# KiCad board PCB_Neopixel_rigid.kicad_pcb
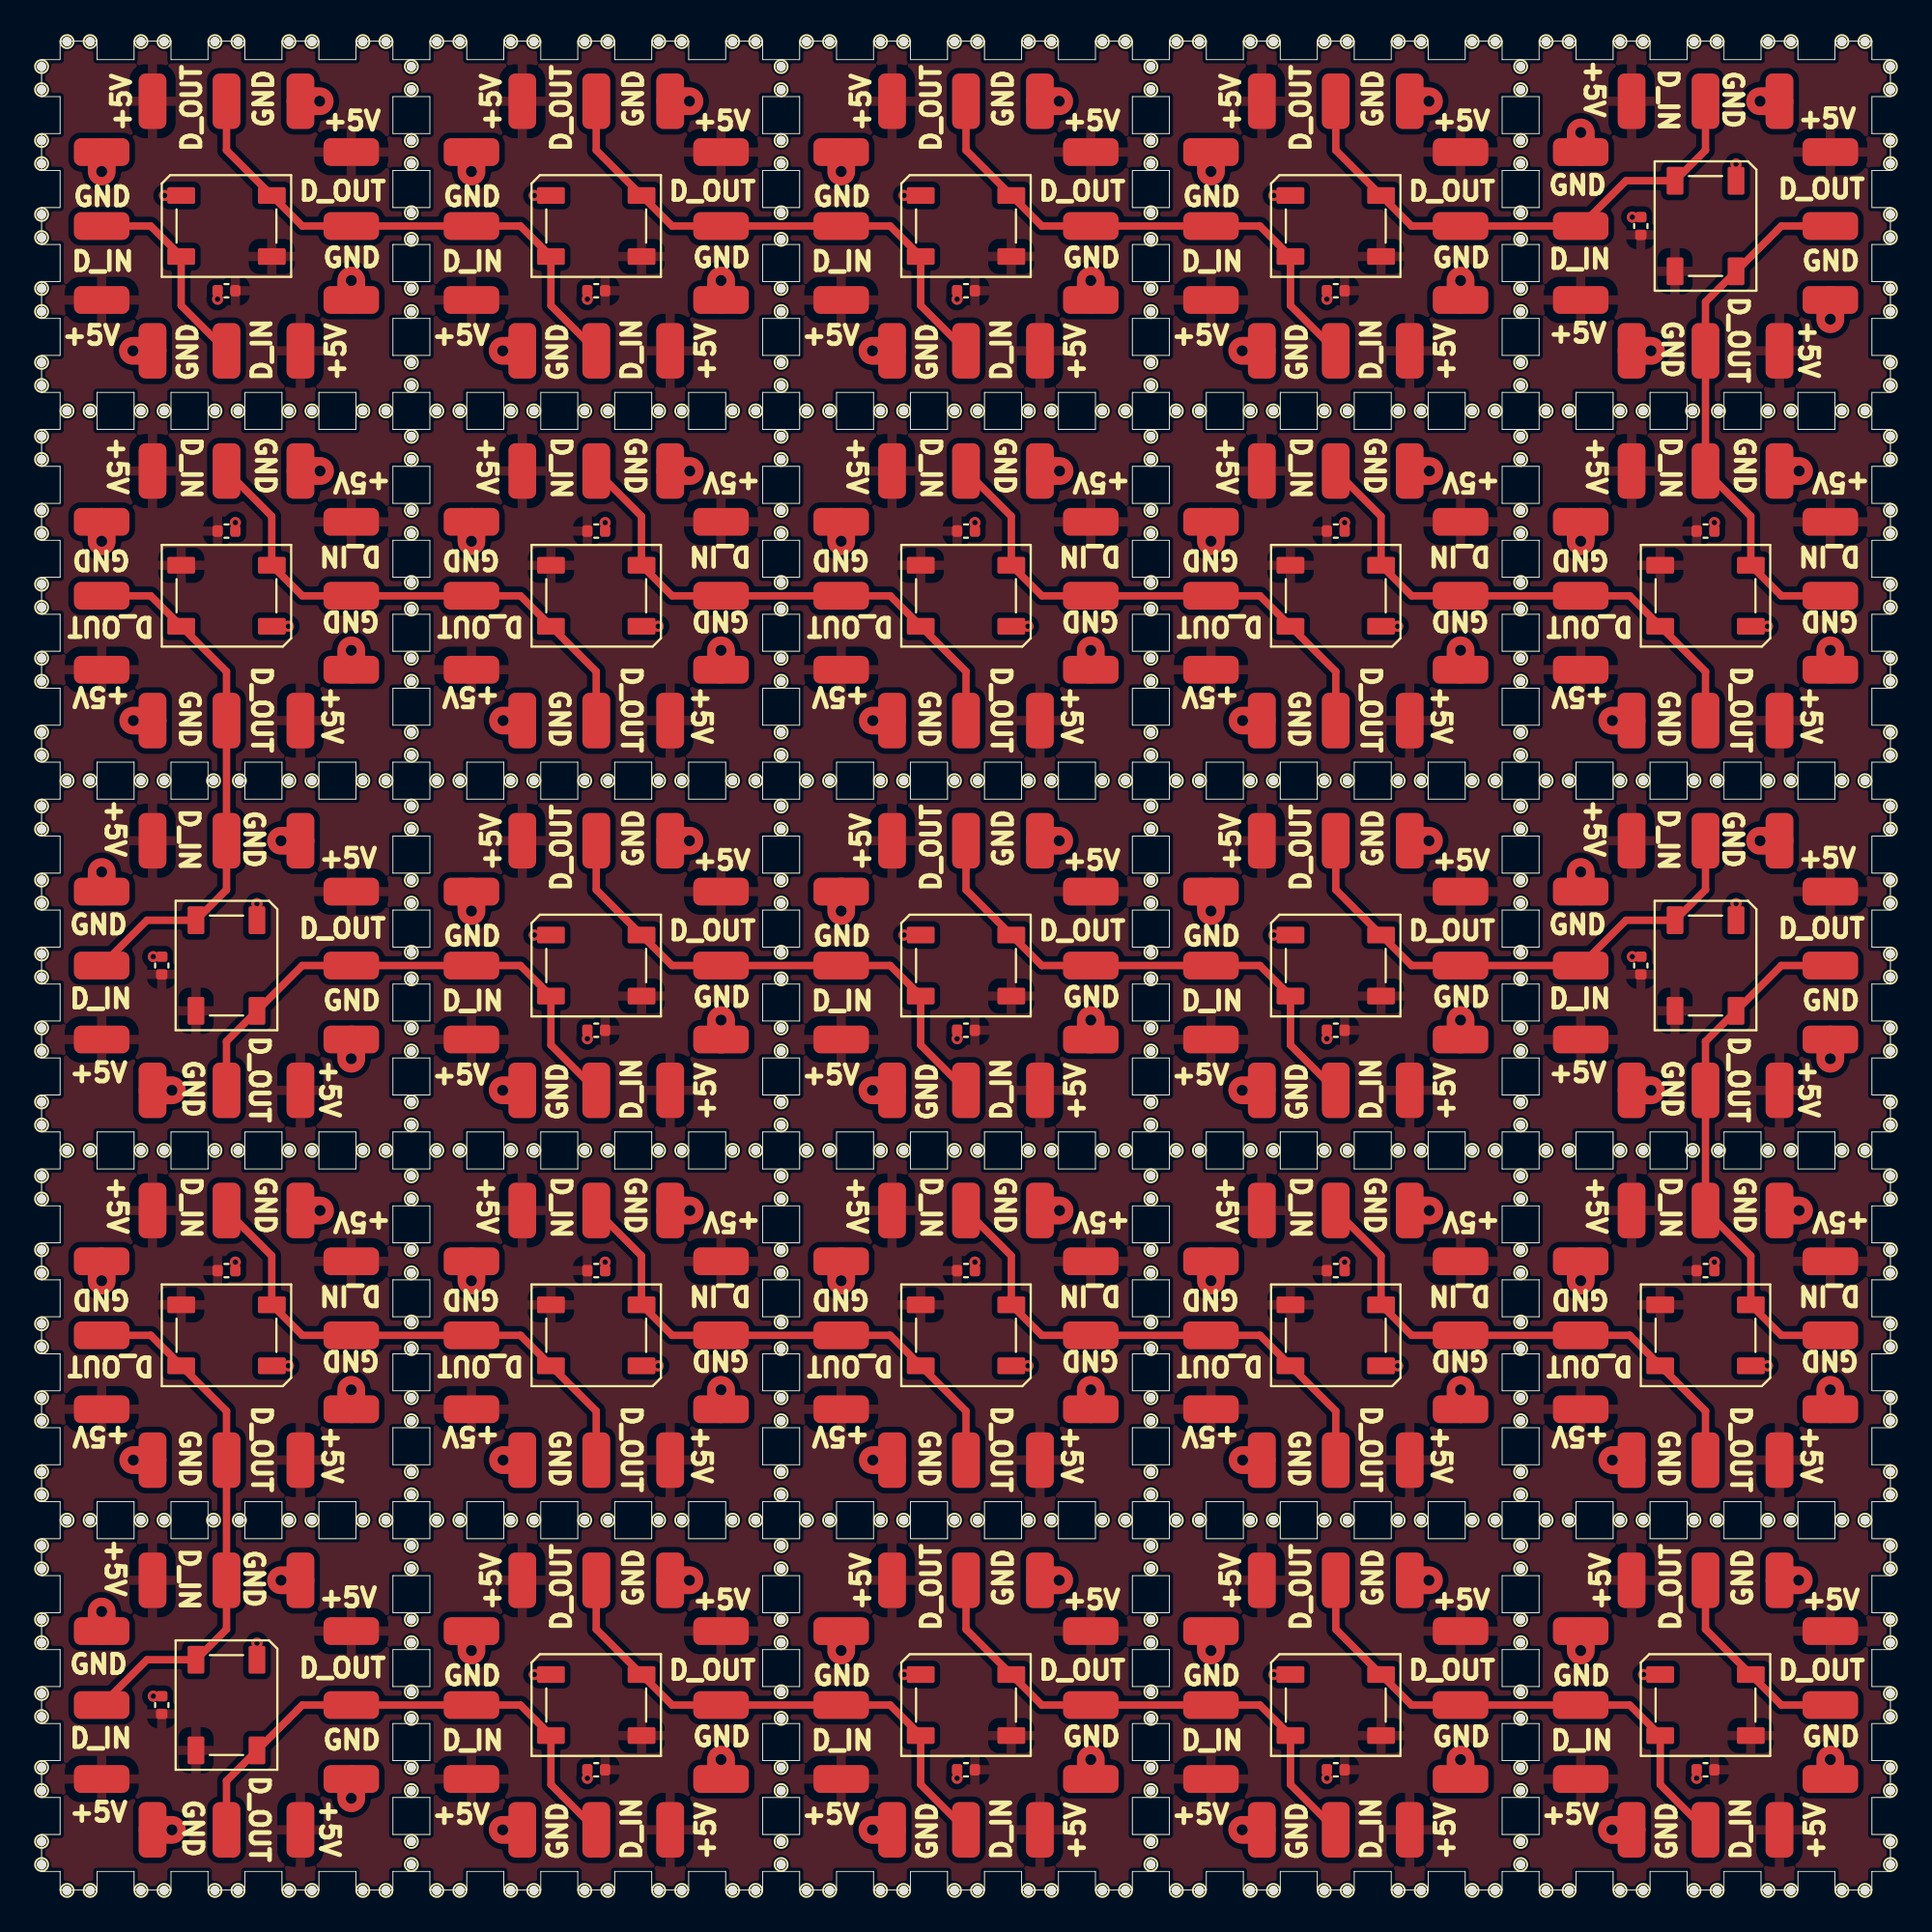
[diagram p0: board, top side]
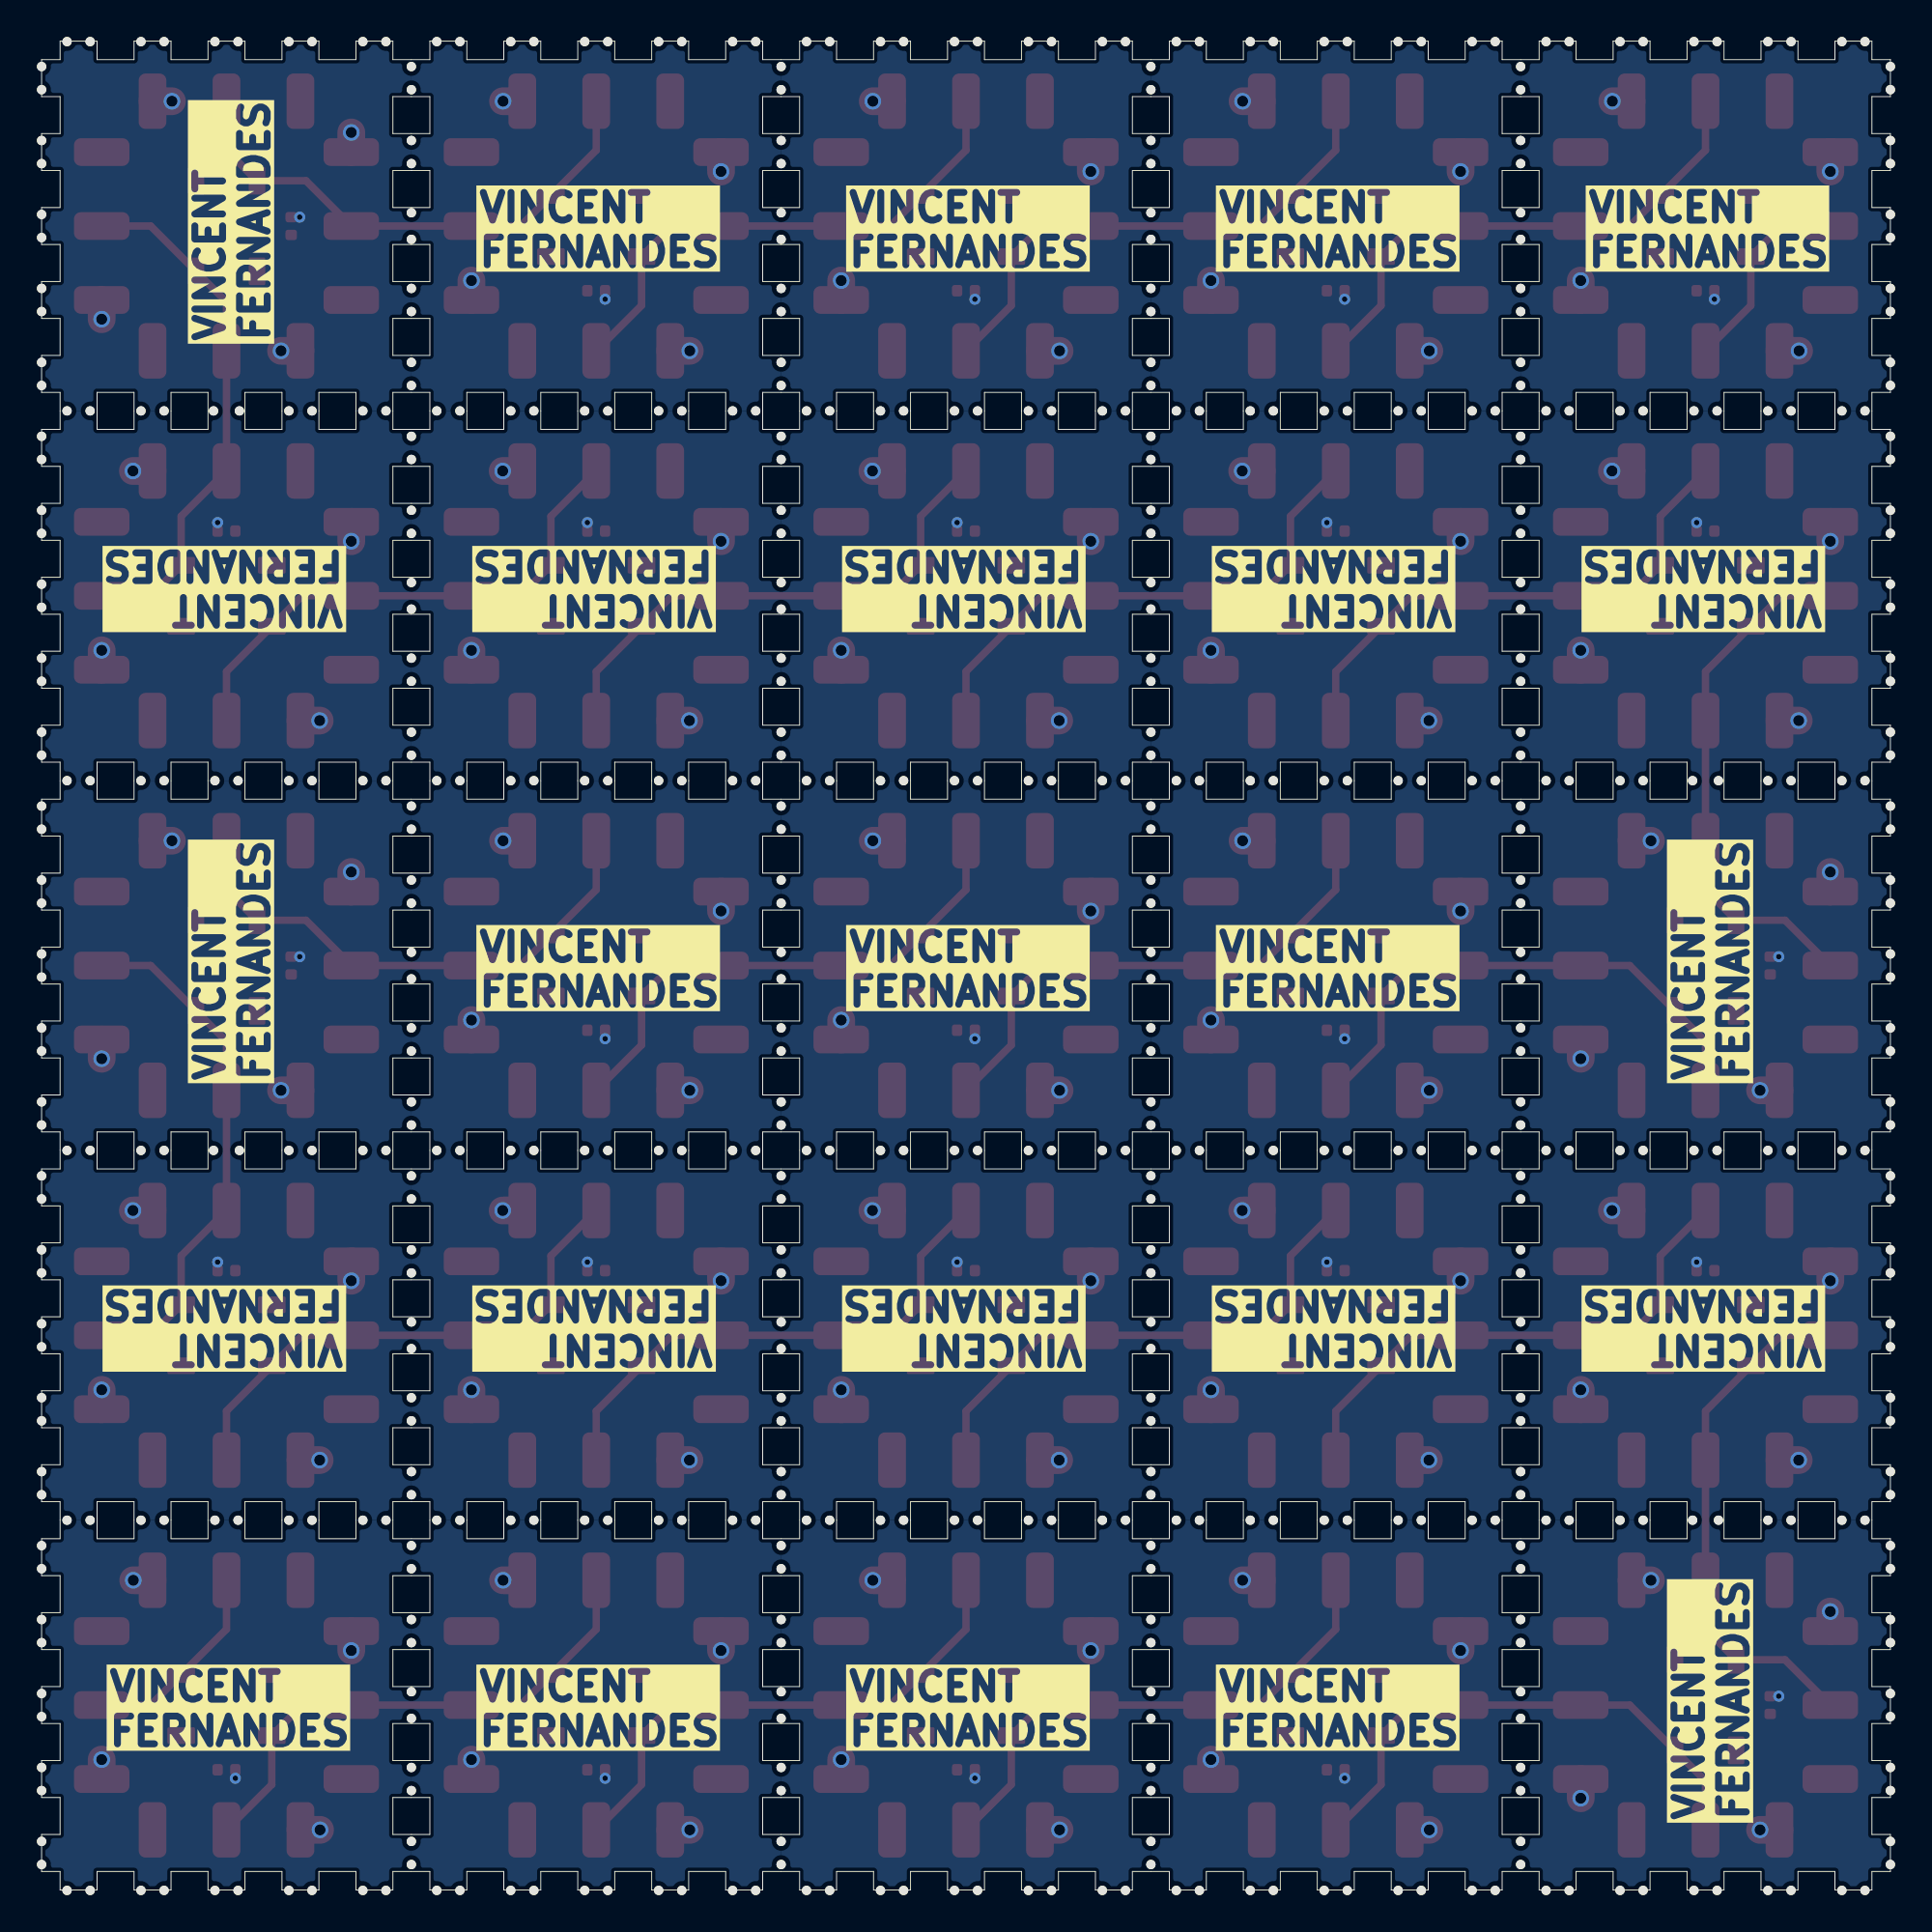
[diagram p1: board, bottom side, seen from below]

Outline 100 x 100 mm; copper layers: Top, Bottom. Coordinates in mm from the lower left corner of the outline.
Outline path: 0,99 1,99 1,100 3,100 3,99 5,99 5,100 7,100 7,99 9,99 9,100 11,100 11,99 13,99 13,100 15,100 15,99 17,99 17,100 19,100 19,99 21,99 21,100 23,100 23,99 25,99 25,100 27,100 27,99 29,99 29,100 31,100 31,99 33,99 33,100 35,100 35,99 37,99 37,100 39,100 39,99 41,99 41,100 43,100 43,99 45,99 45,100 47,100 47,99 49,99 49,100 51,100 51,99 53,99 53,100 55,100 55,99 57,99 57,100 59,100 59,99 61,99 61,100 63,100 63,99 65,99 65,100 67,100 67,99 69,99 69,100 71,100 71,99 73,99 73,100 75,100 75,99 77,99 77,100 79,100 79,99 81,99 81,100 83,100 83,99 85,99 85,100 87,100 87,99 89,99 89,100 91,100 91,99 93,99 93,100 95,100 95,99 97,99 97,100 99,100 99,99 100,99 100,97 99,97 99,95 100,95 100,93 99,93 99,91 100,91 100,89 99,89 99,87 100,87 100,85 99,85 99,83 100,83 100,81 99,81 99,79 100,79 100,77 99,77 99,75 100,75 100,73 99,73 99,71 100,71 100,69 99,69 99,67 100,67 100,65 99,65 99,63 100,63 100,61 99,61 99,59 100,59 100,57 99,57 99,55 100,55 100,53 99,53 99,51 100,51 100,49 99,49 99,47 100,47 100,45 99,45 99,43 100,43 100,41 99,41 99,39 100,39 100,37 99,37 99,35 100,35 100,33 99,33 99,31 100,31 100,29 99,29 99,27 100,27 100,25 99,25 99,23 100,23 100,21 99,21 99,19 100,19 100,17 99,17 99,15 100,15 100,13 99,13 99,11 100,11 100,9 99,9 99,7 100,7 100,5 99,5 99,3 100,3 100,1 99,1 99,0 97,0 97,1 95,1 95,0 93,0 93,1 91,1 91,0 89,0 89,1 87,1 87,0 85,0 85,1 83,1 83,0 81,0 81,1 79,1 79,0 77,0 77,1 75,1 75,0 73,0 73,1 71,1 71,0 69,0 69,1 67,1 67,0 65,0 65,1 63,1 63,0 61,0 61,1 59,1 59,0 57,0 57,1 55,1 55,0 53,0 53,1 51,1 51,0 49,0 49,1 47,1 47,0 45,0 45,1 43,1 43,0 41,0 41,1 39,1 39,0 37,0 37,1 35,1 35,0 33,0 33,1 31,1 31,0 29,0 29,1 27,1 27,0 25,0 25,1 23,1 23,0 21,0 21,1 19,1 19,0 17,0 17,1 15,1 15,0 13,0 13,1 11,1 11,0 9,0 9,1 7,1 7,0 5,0 5,1 3,1 3,0 1,0 1,1 0,1 0,3 1,3 1,5 0,5 0,7 1,7 1,9 0,9 0,11 1,11 1,13 0,13 0,15 1,15 1,17 0,17 0,19 1,19 1,21 0,21 0,23 1,23 1,25 0,25 0,27 1,27 1,29 0,29 0,31 1,31 1,33 0,33 0,35 1,35 1,37 0,37 0,39 1,39 1,41 0,41 0,43 1,43 1,45 0,45 0,47 1,47 1,49 0,49 0,51 1,51 1,53 0,53 0,55 1,55 1,57 0,57 0,59 1,59 1,61 0,61 0,63 1,63 1,65 0,65 0,67 1,67 1,69 0,69 0,71 1,71 1,73 0,73 0,75 1,75 1,77 0,77 0,79 1,79 1,81 0,81 0,83 1,83 1,85 0,85 0,87 1,87 1,89 0,89 0,91 1,91 1,93 0,93 0,95 1,95 1,97 0,97 0,99 ; 3,81 3,79 5,79 5,81 3,81 ; 3,61 3,59 5,59 5,61 3,61 ; 3,41 3,39 5,39 5,41 3,41 ; 3,21 3,19 5,19 5,21 3,21 ; 7,81 7,79 9,79 9,81 7,81 ; 7,61 7,59 9,59 9,61 7,61 ; 7,41 7,39 9,39 9,41 7,41 ; 7,21 7,19 9,19 9,21 7,21 ; 11,81 11,79 13,79 13,81 11,81 ; 11,61 11,59 13,59 13,61 11,61 ; 11,41 11,39 13,39 13,41 11,41 ; 11,21 11,19 13,19 13,21 11,21 ; 15,81 15,79 17,79 17,81 15,81 ; 15,61 15,59 17,59 17,61 15,61 ; 15,41 15,39 17,39 17,41 15,41 ; 15,21 15,19 17,19 17,21 15,21 ; 19,97 19,95 21,95 21,97 19,97 ; 19,93 19,91 21,91 21,93 19,93 ; 19,89 19,87 21,87 21,89 19,89 ; 19,85 19,83 21,83 21,85 19,85 ; 19,81 19,79 21,79 21,81 19,81 ; 19,77 19,75 21,75 21,77 19,77 ; 19,73 19,71 21,71 21,73 19,73 ; 19,69 19,67 21,67 21,69 19,69 ; 19,65 19,63 21,63 21,65 19,65 ; 19,61 19,59 21,59 21,61 19,61 ; 19,57 19,55 21,55 21,57 19,57 ; 19,53 19,51 21,51 21,53 19,53 ; 19,49 19,47 21,47 21,49 19,49 ; 19,45 19,43 21,43 21,45 19,45 ; 19,41 19,39 21,39 21,41 19,41 ; 19,37 19,35 21,35 21,37 19,37 ; 19,33 19,31 21,31 21,33 19,33 ; 19,29 19,27 21,27 21,29 19,29 ; 19,25 19,23 21,23 21,25 19,25 ; 19,21 19,19 21,19 21,21 19,21 ; 19,17 19,15 21,15 21,17 19,17 ; 19,13 19,11 21,11 21,13 19,13 ; 19,9 19,7 21,7 21,9 19,9 ; 19,5 19,3 21,3 21,5 19,5 ; 23,81 23,79 25,79 25,81 23,81 ; 23,61 23,59 25,59 25,61 23,61 ; 23,41 23,39 25,39 25,41 23,41 ; 23,21 23,19 25,19 25,21 23,21 ; 27,81 27,79 29,79 29,81 27,81 ; 27,61 27,59 29,59 29,61 27,61 ; 27,41 27,39 29,39 29,41 27,41 ; 27,21 27,19 29,19 29,21 27,21 ; 31,81 31,79 33,79 33,81 31,81 ; 31,61 31,59 33,59 33,61 31,61 ; 31,41 31,39 33,39 33,41 31,41 ; 31,21 31,19 33,19 33,21 31,21 ; 35,81 35,79 37,79 37,81 35,81 ; 35,61 35,59 37,59 37,61 35,61 ; 35,41 35,39 37,39 37,41 35,41 ; 35,21 35,19 37,19 37,21 35,21 ; 39,97 39,95 41,95 41,97 39,97 ; 39,93 39,91 41,91 41,93 39,93 ; 39,89 39,87 41,87 41,89 39,89 ; 39,85 39,83 41,83 41,85 39,85 ; 39,81 39,79 41,79 41,81 39,81 ; 39,77 39,75 41,75 41,77 39,77 ; 39,73 39,71 41,71 41,73 39,73 ; 39,69 39,67 41,67 41,69 39,69 ; 39,65 39,63 41,63 41,65 39,65 ; 39,61 39,59 41,59 41,61 39,61 ; 39,57 39,55 41,55 41,57 39,57 ; 39,53 39,51 41,51 41,53 39,53 ; 39,49 39,47 41,47 41,49 39,49 ; 39,45 39,43 41,43 41,45 39,45 ; 39,41 39,39 41,39 41,41 39,41 ; 39,37 39,35 41,35 41,37 39,37 ; 39,33 39,31 41,31 41,33 39,33 ; 39,29 39,27 41,27 41,29 39,29 ; 39,25 39,23 41,23 41,25 39,25 ; 39,21 39,19 41,19 41,21 39,21 ; 39,17 39,15 41,15 41,17 39,17 ; 39,13 39,11 41,11 41,13 39,13 ; 39,9 39,7 41,7 41,9 39,9 ; 39,5 39,3 41,3 41,5 39,5 ; 43,81 43,79 45,79 45,81 43,81 ; 43,61 43,59 45,59 45,61 43,61 ; 43,41 43,39 45,39 45,41 43,41 ; 43,21 43,19 45,19 45,21 43,21 ; 47,81 47,79 49,79 49,81 47,81 ; 47,61 47,59 49,59 49,61 47,61 ; 47,41 47,39 49,39 49,41 47,41 ; 47,21 47,19 49,19 49,21 47,21 ; 51,81 51,79 53,79 53,81 51,81 ; 51,61 51,59 53,59 53,61 51,61 ; 51,41 51,39 53,39 53,41 51,41 ; 51,21 51,19 53,19 53,21 51,21 ; 55,81 55,79 57,79 57,81 55,81 ; 55,61 55,59 57,59 57,61 55,61 ; 55,41 55,39 57,39 57,41 55,41 ; 55,21 55,19 57,19 57,21 55,21 ; 59,97 59,95 61,95 61,97 59,97 ; 59,93 59,91 61,91 61,93 59,93 ; 59,89 59,87 61,87 61,89 59,89 ; 59,85 59,83 61,83 61,85 59,85 ; 59,81 59,79 61,79 61,81 59,81 ; 59,77 59,75 61,75 61,77 59,77 ; 59,73 59,71 61,71 61,73 59,73 ; 59,69 59,67 61,67 61,69 59,69 ; 59,65 59,63 61,63 61,65 59,65 ; 59,61 59,59 61,59 61,61 59,61 ; 59,57 59,55 61,55 61,57 59,57 ; 59,53 59,51 61,51 61,53 59,53 ; 59,49 59,47 61,47 61,49 59,49 ; 59,45 59,43 61,43 61,45 59,45 ; 59,41 59,39 61,39 61,41 59,41 ; 59,37 59,35 61,35 61,37 59,37 ; 59,33 59,31 61,31 61,33 59,33 ; 59,29 59,27 61,27 61,29 59,29 ; 59,25 59,23 61,23 61,25 59,25 ; 59,21 59,19 61,19 61,21 59,21 ; 59,17 59,15 61,15 61,17 59,17 ; 59,13 59,11 61,11 61,13 59,13 ; 59,9 59,7 61,7 61,9 59,9 ; 59,5 59,3 61,3 61,5 59,5 ; 63,81 63,79 65,79 65,81 63,81 ; 63,61 63,59 65,59 65,61 63,61 ; 63,41 63,39 65,39 65,41 63,41 ; 63,21 63,19 65,19 65,21 63,21 ; 67,81 67,79 69,79 69,81 67,81 ; 67,61 67,59 69,59 69,61 67,61 ; 67,41 67,39 69,39 69,41 67,41 ; 67,21 67,19 69,19 69,21 67,21 ; 71,81 71,79 73,79 73,81 71,81 ; 71,61 71,59 73,59 73,61 71,61 ; 71,41 71,39 73,39 73,41 71,41 ; 71,21 71,19 73,19 73,21 71,21 ; 75,81 75,79 77,79 77,81 75,81 ; 75,61 75,59 77,59 77,61 75,61 ; 75,41 75,39 77,39 77,41 75,41 ; 75,21 75,19 77,19 77,21 75,21 ; 79,97 79,95 81,95 81,97 79,97 ; 79,93 79,91 81,91 81,93 79,93 ; 79,89 79,87 81,87 81,89 79,89 ; 79,85 79,83 81,83 81,85 79,85 ; 79,81 79,79 81,79 81,81 79,81 ; 79,77 79,75 81,75 81,77 79,77 ; 79,73 79,71 81,71 81,73 79,73 ; 79,69 79,67 81,67 81,69 79,69 ; 79,65 79,63 81,63 81,65 79,65 ; 79,61 79,59 81,59 81,61 79,61 ; 79,57 79,55 81,55 81,57 79,57 ; 79,53 79,51 81,51 81,53 79,53 ; 79,49 79,47 81,47 81,49 79,49 ; 79,45 79,43 81,43 81,45 79,45 ; 79,41 79,39 81,39 81,41 79,41 ; 79,37 79,35 81,35 81,37 79,37 ; 79,33 79,31 81,31 81,33 79,33 ; 79,29 79,27 81,27 81,29 79,29 ; 79,25 79,23 81,23 81,25 79,25 ; 79,21 79,19 81,19 81,21 79,21 ; 79,17 79,15 81,15 81,17 79,17 ; 79,13 79,11 81,11 81,13 79,13 ; 79,9 79,7 81,7 81,9 79,9 ; 79,5 79,3 81,3 81,5 79,5 ; 83,81 83,79 85,79 85,81 83,81 ; 83,61 83,59 85,59 85,61 83,61 ; 83,41 83,39 85,39 85,41 83,41 ; 83,21 83,19 85,19 85,21 83,21 ; 87,81 87,79 89,79 89,81 87,81 ; 87,61 87,59 89,59 89,61 87,61 ; 87,41 87,39 89,39 89,41 87,41 ; 87,21 87,19 89,19 89,21 87,21 ; 91,81 91,79 93,79 93,81 91,81 ; 91,61 91,59 93,59 93,61 91,61 ; 91,41 91,39 93,39 93,41 91,41 ; 91,21 91,19 93,19 93,21 91,21 ; 95,81 95,79 97,79 97,81 95,81 ; 95,61 95,59 97,59 97,61 95,61 ; 95,41 95,39 97,39 97,41 95,41 ; 95,21 95,19 97,19 97,21 95,21
Stack: Top 0.035mm / dielectric 1.51mm FR4 er 4.5 / Bottom 0.035mm

## Placement (name value [footprint] x y rotation side)
C201  100n  [C_0402_1005Metric]  10 86.5 180 top
C301  100n  [C_0402_1005Metric]  30 86.5 180 top
C401  100n  [C_0402_1005Metric]  50 86.5 180 top
C501  100n  [C_0402_1005Metric]  70 86.5 180 top
C601  100n  [C_0402_1005Metric]  86.5 90 90 top
C701  100n  [C_0402_1005Metric]  90 73.5 0 top
C801  100n  [C_0402_1005Metric]  70 73.5 0 top
C901  100n  [C_0402_1005Metric]  50 73.5 0 top
C1001  100n  [C_0402_1005Metric]  30 73.5 0 top
C1101  100n  [C_0402_1005Metric]  10 73.5 0 top
C1201  100n  [C_0402_1005Metric]  6.5 50 90 top
C1301  100n  [C_0402_1005Metric]  30 46.5 180 top
C1401  100n  [C_0402_1005Metric]  50 46.5 180 top
C1501  100n  [C_0402_1005Metric]  70 46.5 180 top
C1601  100n  [C_0402_1005Metric]  86.5 50 90 top
C1701  100n  [C_0402_1005Metric]  90 33.5 0 top
C1801  100n  [C_0402_1005Metric]  70 33.5 0 top
C1901  100n  [C_0402_1005Metric]  50 33.5 0 top
C2001  100n  [C_0402_1005Metric]  30 33.5 0 top
C2101  100n  [C_0402_1005Metric]  10 33.5 0 top
C2201  100n  [C_0402_1005Metric]  6.5 10 90 top
C2301  100n  [C_0402_1005Metric]  30 6.5 180 top
C2401  100n  [C_0402_1005Metric]  50 6.5 180 top
C2501  100n  [C_0402_1005Metric]  70 6.5 180 top
C2601  100n  [C_0402_1005Metric]  90 6.5 180 top
D201  WS2812B  [LED_WS2812B_PLCC4_5.0x5.0mm_P3.2mm]  10 90 180 top
D301  WS2812B  [LED_WS2812B_PLCC4_5.0x5.0mm_P3.2mm]  30 90 180 top
D401  WS2812B  [LED_WS2812B_PLCC4_5.0x5.0mm_P3.2mm]  50 90 180 top
D501  WS2812B  [LED_WS2812B_PLCC4_5.0x5.0mm_P3.2mm]  70 90 180 top
D601  WS2812B  [LED_WS2812B_PLCC4_5.0x5.0mm_P3.2mm]  90 90 90 top
D701  WS2812B  [LED_WS2812B_PLCC4_5.0x5.0mm_P3.2mm]  90 70 0 top
D801  WS2812B  [LED_WS2812B_PLCC4_5.0x5.0mm_P3.2mm]  70 70 0 top
D901  WS2812B  [LED_WS2812B_PLCC4_5.0x5.0mm_P3.2mm]  50 70 0 top
D1001  WS2812B  [LED_WS2812B_PLCC4_5.0x5.0mm_P3.2mm]  30 70 0 top
D1101  WS2812B  [LED_WS2812B_PLCC4_5.0x5.0mm_P3.2mm]  10 70 0 top
D1201  WS2812B  [LED_WS2812B_PLCC4_5.0x5.0mm_P3.2mm]  10 50 90 top
D1301  WS2812B  [LED_WS2812B_PLCC4_5.0x5.0mm_P3.2mm]  30 50 180 top
D1401  WS2812B  [LED_WS2812B_PLCC4_5.0x5.0mm_P3.2mm]  50 50 180 top
D1501  WS2812B  [LED_WS2812B_PLCC4_5.0x5.0mm_P3.2mm]  70 50 180 top
D1601  WS2812B  [LED_WS2812B_PLCC4_5.0x5.0mm_P3.2mm]  90 50 90 top
D1701  WS2812B  [LED_WS2812B_PLCC4_5.0x5.0mm_P3.2mm]  90 30 0 top
D1801  WS2812B  [LED_WS2812B_PLCC4_5.0x5.0mm_P3.2mm]  70 30 0 top
D1901  WS2812B  [LED_WS2812B_PLCC4_5.0x5.0mm_P3.2mm]  50 30 0 top
D2001  WS2812B  [LED_WS2812B_PLCC4_5.0x5.0mm_P3.2mm]  30 30 0 top
D2101  WS2812B  [LED_WS2812B_PLCC4_5.0x5.0mm_P3.2mm]  10 30 0 top
D2201  WS2812B  [LED_WS2812B_PLCC4_5.0x5.0mm_P3.2mm]  10 10 90 top
D2301  WS2812B  [LED_WS2812B_PLCC4_5.0x5.0mm_P3.2mm]  30 10 180 top
D2401  WS2812B  [LED_WS2812B_PLCC4_5.0x5.0mm_P3.2mm]  50 10 180 top
D2501  WS2812B  [LED_WS2812B_PLCC4_5.0x5.0mm_P3.2mm]  70 10 180 top
D2601  WS2812B  [LED_WS2812B_PLCC4_5.0x5.0mm_P3.2mm]  90 10 180 top
J201  Conn_01x01  [SolderWirePad_1x01_SMD_1.5x3mm]  3.25 86 90 top
J202  Conn_01x01  [SolderWirePad_1x01_SMD_1.5x3mm]  3.25 94 90 top
J203  Conn_01x01  [SolderWirePad_1x01_SMD_1.5x3mm]  14 83.25 180 top
J204  Conn_01x01  [SolderWirePad_1x01_SMD_1.5x3mm]  6 83.25 0 top
J205  Conn_01x01  [SolderWirePad_1x01_SMD_1.5x3mm]  16.75 94 90 top
J206  Conn_01x01  [SolderWirePad_1x01_SMD_1.5x3mm]  16.75 86 90 top
J207  Conn_01x01  [SolderWirePad_1x01_SMD_1.5x3mm]  6 96.75 0 top
J208  Conn_01x01  [SolderWirePad_1x01_SMD_1.5x3mm]  14 96.75 0 top
J209  Conn_01x01  [SolderWirePad_1x01_SMD_1.5x3mm]  10 83.25 0 top
J210  Conn_01x01  [SolderWirePad_1x01_SMD_1.5x3mm]  3.25 90 90 top
J211  Conn_01x01  [SolderWirePad_1x01_SMD_1.5x3mm]  16.75 90 90 top
J212  Conn_01x01  [SolderWirePad_1x01_SMD_1.5x3mm]  10 96.75 0 top
J301  Conn_01x01  [SolderWirePad_1x01_SMD_1.5x3mm]  23.25 86 90 top
J302  Conn_01x01  [SolderWirePad_1x01_SMD_1.5x3mm]  23.25 94 90 top
J303  Conn_01x01  [SolderWirePad_1x01_SMD_1.5x3mm]  34 83.25 180 top
J304  Conn_01x01  [SolderWirePad_1x01_SMD_1.5x3mm]  26 83.25 0 top
J305  Conn_01x01  [SolderWirePad_1x01_SMD_1.5x3mm]  36.75 94 90 top
J306  Conn_01x01  [SolderWirePad_1x01_SMD_1.5x3mm]  36.75 86 90 top
J307  Conn_01x01  [SolderWirePad_1x01_SMD_1.5x3mm]  26 96.75 0 top
J308  Conn_01x01  [SolderWirePad_1x01_SMD_1.5x3mm]  34 96.75 0 top
J309  Conn_01x01  [SolderWirePad_1x01_SMD_1.5x3mm]  30 83.25 0 top
J310  Conn_01x01  [SolderWirePad_1x01_SMD_1.5x3mm]  23.25 90 90 top
J311  Conn_01x01  [SolderWirePad_1x01_SMD_1.5x3mm]  36.75 90 90 top
J312  Conn_01x01  [SolderWirePad_1x01_SMD_1.5x3mm]  30 96.75 0 top
J401  Conn_01x01  [SolderWirePad_1x01_SMD_1.5x3mm]  43.25 86 90 top
J402  Conn_01x01  [SolderWirePad_1x01_SMD_1.5x3mm]  43.25 94 90 top
J403  Conn_01x01  [SolderWirePad_1x01_SMD_1.5x3mm]  54 83.25 180 top
J404  Conn_01x01  [SolderWirePad_1x01_SMD_1.5x3mm]  46 83.25 0 top
J405  Conn_01x01  [SolderWirePad_1x01_SMD_1.5x3mm]  56.75 94 90 top
J406  Conn_01x01  [SolderWirePad_1x01_SMD_1.5x3mm]  56.75 86 90 top
J407  Conn_01x01  [SolderWirePad_1x01_SMD_1.5x3mm]  46 96.75 0 top
J408  Conn_01x01  [SolderWirePad_1x01_SMD_1.5x3mm]  54 96.75 0 top
J409  Conn_01x01  [SolderWirePad_1x01_SMD_1.5x3mm]  50 83.25 0 top
J410  Conn_01x01  [SolderWirePad_1x01_SMD_1.5x3mm]  43.25 90 90 top
J411  Conn_01x01  [SolderWirePad_1x01_SMD_1.5x3mm]  56.75 90 90 top
J412  Conn_01x01  [SolderWirePad_1x01_SMD_1.5x3mm]  50 96.75 0 top
J501  Conn_01x01  [SolderWirePad_1x01_SMD_1.5x3mm]  63.25 86 90 top
J502  Conn_01x01  [SolderWirePad_1x01_SMD_1.5x3mm]  63.25 94 90 top
J503  Conn_01x01  [SolderWirePad_1x01_SMD_1.5x3mm]  74 83.25 180 top
J504  Conn_01x01  [SolderWirePad_1x01_SMD_1.5x3mm]  66 83.25 0 top
J505  Conn_01x01  [SolderWirePad_1x01_SMD_1.5x3mm]  76.75 94 90 top
J506  Conn_01x01  [SolderWirePad_1x01_SMD_1.5x3mm]  76.75 86 90 top
J507  Conn_01x01  [SolderWirePad_1x01_SMD_1.5x3mm]  66 96.75 0 top
J508  Conn_01x01  [SolderWirePad_1x01_SMD_1.5x3mm]  74 96.75 0 top
J509  Conn_01x01  [SolderWirePad_1x01_SMD_1.5x3mm]  70 83.25 0 top
J510  Conn_01x01  [SolderWirePad_1x01_SMD_1.5x3mm]  63.25 90 90 top
J511  Conn_01x01  [SolderWirePad_1x01_SMD_1.5x3mm]  76.75 90 90 top
J512  Conn_01x01  [SolderWirePad_1x01_SMD_1.5x3mm]  70 96.75 0 top
J601  Conn_01x01  [SolderWirePad_1x01_SMD_1.5x3mm]  86 96.75 0 top
J602  Conn_01x01  [SolderWirePad_1x01_SMD_1.5x3mm]  94 96.75 0 top
J603  Conn_01x01  [SolderWirePad_1x01_SMD_1.5x3mm]  83.25 86 90 top
J604  Conn_01x01  [SolderWirePad_1x01_SMD_1.5x3mm]  83.25 94 270 top
J605  Conn_01x01  [SolderWirePad_1x01_SMD_1.5x3mm]  94 83.25 0 top
J606  Conn_01x01  [SolderWirePad_1x01_SMD_1.5x3mm]  86 83.25 0 top
J607  Conn_01x01  [SolderWirePad_1x01_SMD_1.5x3mm]  96.75 94 270 top
J608  Conn_01x01  [SolderWirePad_1x01_SMD_1.5x3mm]  96.75 86 270 top
J609  Conn_01x01  [SolderWirePad_1x01_SMD_1.5x3mm]  83.25 90 270 top
J610  Conn_01x01  [SolderWirePad_1x01_SMD_1.5x3mm]  90 96.75 0 top
J611  Conn_01x01  [SolderWirePad_1x01_SMD_1.5x3mm]  90 83.25 0 top
J612  Conn_01x01  [SolderWirePad_1x01_SMD_1.5x3mm]  96.75 90 270 top
J701  Conn_01x01  [SolderWirePad_1x01_SMD_1.5x3mm]  96.75 74 270 top
J702  Conn_01x01  [SolderWirePad_1x01_SMD_1.5x3mm]  96.75 66 270 top
J703  Conn_01x01  [SolderWirePad_1x01_SMD_1.5x3mm]  86 76.75 0 top
J704  Conn_01x01  [SolderWirePad_1x01_SMD_1.5x3mm]  94 76.75 180 top
J705  Conn_01x01  [SolderWirePad_1x01_SMD_1.5x3mm]  83.25 66 270 top
J706  Conn_01x01  [SolderWirePad_1x01_SMD_1.5x3mm]  83.25 74 270 top
J707  Conn_01x01  [SolderWirePad_1x01_SMD_1.5x3mm]  94 63.25 180 top
J708  Conn_01x01  [SolderWirePad_1x01_SMD_1.5x3mm]  86 63.25 180 top
J709  Conn_01x01  [SolderWirePad_1x01_SMD_1.5x3mm]  90 76.75 180 top
J710  Conn_01x01  [SolderWirePad_1x01_SMD_1.5x3mm]  96.75 70 270 top
J711  Conn_01x01  [SolderWirePad_1x01_SMD_1.5x3mm]  83.25 70 270 top
J712  Conn_01x01  [SolderWirePad_1x01_SMD_1.5x3mm]  90 63.25 180 top
J801  Conn_01x01  [SolderWirePad_1x01_SMD_1.5x3mm]  76.75 74 270 top
J802  Conn_01x01  [SolderWirePad_1x01_SMD_1.5x3mm]  76.75 66 270 top
J803  Conn_01x01  [SolderWirePad_1x01_SMD_1.5x3mm]  66 76.75 0 top
J804  Conn_01x01  [SolderWirePad_1x01_SMD_1.5x3mm]  74 76.75 180 top
J805  Conn_01x01  [SolderWirePad_1x01_SMD_1.5x3mm]  63.25 66 270 top
J806  Conn_01x01  [SolderWirePad_1x01_SMD_1.5x3mm]  63.25 74 270 top
J807  Conn_01x01  [SolderWirePad_1x01_SMD_1.5x3mm]  74 63.25 180 top
J808  Conn_01x01  [SolderWirePad_1x01_SMD_1.5x3mm]  66 63.25 180 top
J809  Conn_01x01  [SolderWirePad_1x01_SMD_1.5x3mm]  70 76.75 180 top
J810  Conn_01x01  [SolderWirePad_1x01_SMD_1.5x3mm]  76.75 70 270 top
J811  Conn_01x01  [SolderWirePad_1x01_SMD_1.5x3mm]  63.25 70 270 top
J812  Conn_01x01  [SolderWirePad_1x01_SMD_1.5x3mm]  70 63.25 180 top
J901  Conn_01x01  [SolderWirePad_1x01_SMD_1.5x3mm]  56.75 74 270 top
J902  Conn_01x01  [SolderWirePad_1x01_SMD_1.5x3mm]  56.75 66 270 top
J903  Conn_01x01  [SolderWirePad_1x01_SMD_1.5x3mm]  46 76.75 0 top
J904  Conn_01x01  [SolderWirePad_1x01_SMD_1.5x3mm]  54 76.75 180 top
J905  Conn_01x01  [SolderWirePad_1x01_SMD_1.5x3mm]  43.25 66 270 top
J906  Conn_01x01  [SolderWirePad_1x01_SMD_1.5x3mm]  43.25 74 270 top
J907  Conn_01x01  [SolderWirePad_1x01_SMD_1.5x3mm]  54 63.25 180 top
J908  Conn_01x01  [SolderWirePad_1x01_SMD_1.5x3mm]  46 63.25 180 top
J909  Conn_01x01  [SolderWirePad_1x01_SMD_1.5x3mm]  50 76.75 180 top
J910  Conn_01x01  [SolderWirePad_1x01_SMD_1.5x3mm]  56.75 70 270 top
J911  Conn_01x01  [SolderWirePad_1x01_SMD_1.5x3mm]  43.25 70 270 top
J912  Conn_01x01  [SolderWirePad_1x01_SMD_1.5x3mm]  50 63.25 180 top
J1001  Conn_01x01  [SolderWirePad_1x01_SMD_1.5x3mm]  36.75 74 270 top
J1002  Conn_01x01  [SolderWirePad_1x01_SMD_1.5x3mm]  36.75 66 270 top
J1003  Conn_01x01  [SolderWirePad_1x01_SMD_1.5x3mm]  26 76.75 0 top
J1004  Conn_01x01  [SolderWirePad_1x01_SMD_1.5x3mm]  34 76.75 180 top
J1005  Conn_01x01  [SolderWirePad_1x01_SMD_1.5x3mm]  23.25 66 270 top
J1006  Conn_01x01  [SolderWirePad_1x01_SMD_1.5x3mm]  23.25 74 270 top
J1007  Conn_01x01  [SolderWirePad_1x01_SMD_1.5x3mm]  34 63.25 180 top
J1008  Conn_01x01  [SolderWirePad_1x01_SMD_1.5x3mm]  26 63.25 180 top
J1009  Conn_01x01  [SolderWirePad_1x01_SMD_1.5x3mm]  30 76.75 180 top
J1010  Conn_01x01  [SolderWirePad_1x01_SMD_1.5x3mm]  36.75 70 270 top
J1011  Conn_01x01  [SolderWirePad_1x01_SMD_1.5x3mm]  23.25 70 270 top
J1012  Conn_01x01  [SolderWirePad_1x01_SMD_1.5x3mm]  30 63.25 180 top
J1101  Conn_01x01  [SolderWirePad_1x01_SMD_1.5x3mm]  16.75 74 270 top
J1102  Conn_01x01  [SolderWirePad_1x01_SMD_1.5x3mm]  16.75 66 270 top
J1103  Conn_01x01  [SolderWirePad_1x01_SMD_1.5x3mm]  6 76.75 0 top
J1104  Conn_01x01  [SolderWirePad_1x01_SMD_1.5x3mm]  14 76.75 180 top
J1105  Conn_01x01  [SolderWirePad_1x01_SMD_1.5x3mm]  3.25 66 270 top
J1106  Conn_01x01  [SolderWirePad_1x01_SMD_1.5x3mm]  3.25 74 270 top
J1107  Conn_01x01  [SolderWirePad_1x01_SMD_1.5x3mm]  14 63.25 180 top
J1108  Conn_01x01  [SolderWirePad_1x01_SMD_1.5x3mm]  6 63.25 180 top
J1109  Conn_01x01  [SolderWirePad_1x01_SMD_1.5x3mm]  10 76.75 180 top
J1110  Conn_01x01  [SolderWirePad_1x01_SMD_1.5x3mm]  16.75 70 270 top
J1111  Conn_01x01  [SolderWirePad_1x01_SMD_1.5x3mm]  3.25 70 270 top
J1112  Conn_01x01  [SolderWirePad_1x01_SMD_1.5x3mm]  10 63.25 180 top
J1201  Conn_01x01  [SolderWirePad_1x01_SMD_1.5x3mm]  6 56.75 0 top
J1202  Conn_01x01  [SolderWirePad_1x01_SMD_1.5x3mm]  14 56.75 0 top
J1203  Conn_01x01  [SolderWirePad_1x01_SMD_1.5x3mm]  3.25 46 90 top
J1204  Conn_01x01  [SolderWirePad_1x01_SMD_1.5x3mm]  3.25 54 270 top
J1205  Conn_01x01  [SolderWirePad_1x01_SMD_1.5x3mm]  14 43.25 0 top
J1206  Conn_01x01  [SolderWirePad_1x01_SMD_1.5x3mm]  6 43.25 0 top
J1207  Conn_01x01  [SolderWirePad_1x01_SMD_1.5x3mm]  16.75 54 270 top
J1208  Conn_01x01  [SolderWirePad_1x01_SMD_1.5x3mm]  16.75 46 270 top
J1209  Conn_01x01  [SolderWirePad_1x01_SMD_1.5x3mm]  3.25 50 270 top
J1210  Conn_01x01  [SolderWirePad_1x01_SMD_1.5x3mm]  10 56.75 0 top
J1211  Conn_01x01  [SolderWirePad_1x01_SMD_1.5x3mm]  10 43.25 0 top
J1212  Conn_01x01  [SolderWirePad_1x01_SMD_1.5x3mm]  16.75 50 270 top
J1301  Conn_01x01  [SolderWirePad_1x01_SMD_1.5x3mm]  23.25 46 90 top
J1302  Conn_01x01  [SolderWirePad_1x01_SMD_1.5x3mm]  23.25 54 90 top
J1303  Conn_01x01  [SolderWirePad_1x01_SMD_1.5x3mm]  34 43.25 180 top
J1304  Conn_01x01  [SolderWirePad_1x01_SMD_1.5x3mm]  26 43.25 0 top
J1305  Conn_01x01  [SolderWirePad_1x01_SMD_1.5x3mm]  36.75 54 90 top
J1306  Conn_01x01  [SolderWirePad_1x01_SMD_1.5x3mm]  36.75 46 90 top
J1307  Conn_01x01  [SolderWirePad_1x01_SMD_1.5x3mm]  26 56.75 0 top
J1308  Conn_01x01  [SolderWirePad_1x01_SMD_1.5x3mm]  34 56.75 0 top
J1309  Conn_01x01  [SolderWirePad_1x01_SMD_1.5x3mm]  30 43.25 0 top
J1310  Conn_01x01  [SolderWirePad_1x01_SMD_1.5x3mm]  23.25 50 90 top
J1311  Conn_01x01  [SolderWirePad_1x01_SMD_1.5x3mm]  36.75 50 90 top
J1312  Conn_01x01  [SolderWirePad_1x01_SMD_1.5x3mm]  30 56.75 0 top
J1401  Conn_01x01  [SolderWirePad_1x01_SMD_1.5x3mm]  43.25 46 90 top
J1402  Conn_01x01  [SolderWirePad_1x01_SMD_1.5x3mm]  43.25 54 90 top
J1403  Conn_01x01  [SolderWirePad_1x01_SMD_1.5x3mm]  54 43.25 180 top
J1404  Conn_01x01  [SolderWirePad_1x01_SMD_1.5x3mm]  46 43.25 0 top
J1405  Conn_01x01  [SolderWirePad_1x01_SMD_1.5x3mm]  56.75 54 90 top
J1406  Conn_01x01  [SolderWirePad_1x01_SMD_1.5x3mm]  56.75 46 90 top
J1407  Conn_01x01  [SolderWirePad_1x01_SMD_1.5x3mm]  46 56.75 0 top
J1408  Conn_01x01  [SolderWirePad_1x01_SMD_1.5x3mm]  54 56.75 0 top
J1409  Conn_01x01  [SolderWirePad_1x01_SMD_1.5x3mm]  50 43.25 0 top
J1410  Conn_01x01  [SolderWirePad_1x01_SMD_1.5x3mm]  43.25 50 90 top
J1411  Conn_01x01  [SolderWirePad_1x01_SMD_1.5x3mm]  56.75 50 90 top
J1412  Conn_01x01  [SolderWirePad_1x01_SMD_1.5x3mm]  50 56.75 0 top
J1501  Conn_01x01  [SolderWirePad_1x01_SMD_1.5x3mm]  63.25 46 90 top
J1502  Conn_01x01  [SolderWirePad_1x01_SMD_1.5x3mm]  63.25 54 90 top
J1503  Conn_01x01  [SolderWirePad_1x01_SMD_1.5x3mm]  74 43.25 180 top
J1504  Conn_01x01  [SolderWirePad_1x01_SMD_1.5x3mm]  66 43.25 0 top
J1505  Conn_01x01  [SolderWirePad_1x01_SMD_1.5x3mm]  76.75 54 90 top
J1506  Conn_01x01  [SolderWirePad_1x01_SMD_1.5x3mm]  76.75 46 90 top
J1507  Conn_01x01  [SolderWirePad_1x01_SMD_1.5x3mm]  66 56.75 0 top
J1508  Conn_01x01  [SolderWirePad_1x01_SMD_1.5x3mm]  74 56.75 0 top
J1509  Conn_01x01  [SolderWirePad_1x01_SMD_1.5x3mm]  70 43.25 0 top
J1510  Conn_01x01  [SolderWirePad_1x01_SMD_1.5x3mm]  63.25 50 90 top
J1511  Conn_01x01  [SolderWirePad_1x01_SMD_1.5x3mm]  76.75 50 90 top
J1512  Conn_01x01  [SolderWirePad_1x01_SMD_1.5x3mm]  70 56.75 0 top
J1601  Conn_01x01  [SolderWirePad_1x01_SMD_1.5x3mm]  86 56.75 0 top
J1602  Conn_01x01  [SolderWirePad_1x01_SMD_1.5x3mm]  94 56.75 0 top
J1603  Conn_01x01  [SolderWirePad_1x01_SMD_1.5x3mm]  83.25 46 90 top
J1604  Conn_01x01  [SolderWirePad_1x01_SMD_1.5x3mm]  83.25 54 270 top
J1605  Conn_01x01  [SolderWirePad_1x01_SMD_1.5x3mm]  94 43.25 0 top
J1606  Conn_01x01  [SolderWirePad_1x01_SMD_1.5x3mm]  86 43.25 0 top
J1607  Conn_01x01  [SolderWirePad_1x01_SMD_1.5x3mm]  96.75 54 270 top
J1608  Conn_01x01  [SolderWirePad_1x01_SMD_1.5x3mm]  96.75 46 270 top
J1609  Conn_01x01  [SolderWirePad_1x01_SMD_1.5x3mm]  83.25 50 270 top
J1610  Conn_01x01  [SolderWirePad_1x01_SMD_1.5x3mm]  90 56.75 0 top
J1611  Conn_01x01  [SolderWirePad_1x01_SMD_1.5x3mm]  90 43.25 0 top
J1612  Conn_01x01  [SolderWirePad_1x01_SMD_1.5x3mm]  96.75 50 270 top
J1701  Conn_01x01  [SolderWirePad_1x01_SMD_1.5x3mm]  96.75 34 270 top
J1702  Conn_01x01  [SolderWirePad_1x01_SMD_1.5x3mm]  96.75 26 270 top
J1703  Conn_01x01  [SolderWirePad_1x01_SMD_1.5x3mm]  86 36.75 0 top
J1704  Conn_01x01  [SolderWirePad_1x01_SMD_1.5x3mm]  94 36.75 180 top
J1705  Conn_01x01  [SolderWirePad_1x01_SMD_1.5x3mm]  83.25 26 270 top
J1706  Conn_01x01  [SolderWirePad_1x01_SMD_1.5x3mm]  83.25 34 270 top
J1707  Conn_01x01  [SolderWirePad_1x01_SMD_1.5x3mm]  94 23.25 180 top
J1708  Conn_01x01  [SolderWirePad_1x01_SMD_1.5x3mm]  86 23.25 180 top
J1709  Conn_01x01  [SolderWirePad_1x01_SMD_1.5x3mm]  90 36.75 180 top
J1710  Conn_01x01  [SolderWirePad_1x01_SMD_1.5x3mm]  96.75 30 270 top
J1711  Conn_01x01  [SolderWirePad_1x01_SMD_1.5x3mm]  83.25 30 270 top
J1712  Conn_01x01  [SolderWirePad_1x01_SMD_1.5x3mm]  90 23.25 180 top
J1801  Conn_01x01  [SolderWirePad_1x01_SMD_1.5x3mm]  76.75 34 270 top
J1802  Conn_01x01  [SolderWirePad_1x01_SMD_1.5x3mm]  76.75 26 270 top
J1803  Conn_01x01  [SolderWirePad_1x01_SMD_1.5x3mm]  66 36.75 0 top
J1804  Conn_01x01  [SolderWirePad_1x01_SMD_1.5x3mm]  74 36.75 180 top
J1805  Conn_01x01  [SolderWirePad_1x01_SMD_1.5x3mm]  63.25 26 270 top
J1806  Conn_01x01  [SolderWirePad_1x01_SMD_1.5x3mm]  63.25 34 270 top
J1807  Conn_01x01  [SolderWirePad_1x01_SMD_1.5x3mm]  74 23.25 180 top
J1808  Conn_01x01  [SolderWirePad_1x01_SMD_1.5x3mm]  66 23.25 180 top
J1809  Conn_01x01  [SolderWirePad_1x01_SMD_1.5x3mm]  70 36.75 180 top
J1810  Conn_01x01  [SolderWirePad_1x01_SMD_1.5x3mm]  76.75 30 270 top
J1811  Conn_01x01  [SolderWirePad_1x01_SMD_1.5x3mm]  63.25 30 270 top
J1812  Conn_01x01  [SolderWirePad_1x01_SMD_1.5x3mm]  70 23.25 180 top
J1901  Conn_01x01  [SolderWirePad_1x01_SMD_1.5x3mm]  56.75 34 270 top
J1902  Conn_01x01  [SolderWirePad_1x01_SMD_1.5x3mm]  56.75 26 270 top
J1903  Conn_01x01  [SolderWirePad_1x01_SMD_1.5x3mm]  46 36.75 0 top
J1904  Conn_01x01  [SolderWirePad_1x01_SMD_1.5x3mm]  54 36.75 180 top
J1905  Conn_01x01  [SolderWirePad_1x01_SMD_1.5x3mm]  43.25 26 270 top
J1906  Conn_01x01  [SolderWirePad_1x01_SMD_1.5x3mm]  43.25 34 270 top
J1907  Conn_01x01  [SolderWirePad_1x01_SMD_1.5x3mm]  54 23.25 180 top
J1908  Conn_01x01  [SolderWirePad_1x01_SMD_1.5x3mm]  46 23.25 180 top
J1909  Conn_01x01  [SolderWirePad_1x01_SMD_1.5x3mm]  50 36.75 180 top
J1910  Conn_01x01  [SolderWirePad_1x01_SMD_1.5x3mm]  56.75 30 270 top
J1911  Conn_01x01  [SolderWirePad_1x01_SMD_1.5x3mm]  43.25 30 270 top
J1912  Conn_01x01  [SolderWirePad_1x01_SMD_1.5x3mm]  50 23.25 180 top
J2001  Conn_01x01  [SolderWirePad_1x01_SMD_1.5x3mm]  36.75 34 270 top
J2002  Conn_01x01  [SolderWirePad_1x01_SMD_1.5x3mm]  36.75 26 270 top